# Allegro board RK3588S_Template_LP4XD556P164SD10H2_33X33_2133MHz_H1R0_V10_20220315YWQ.brd (continued)
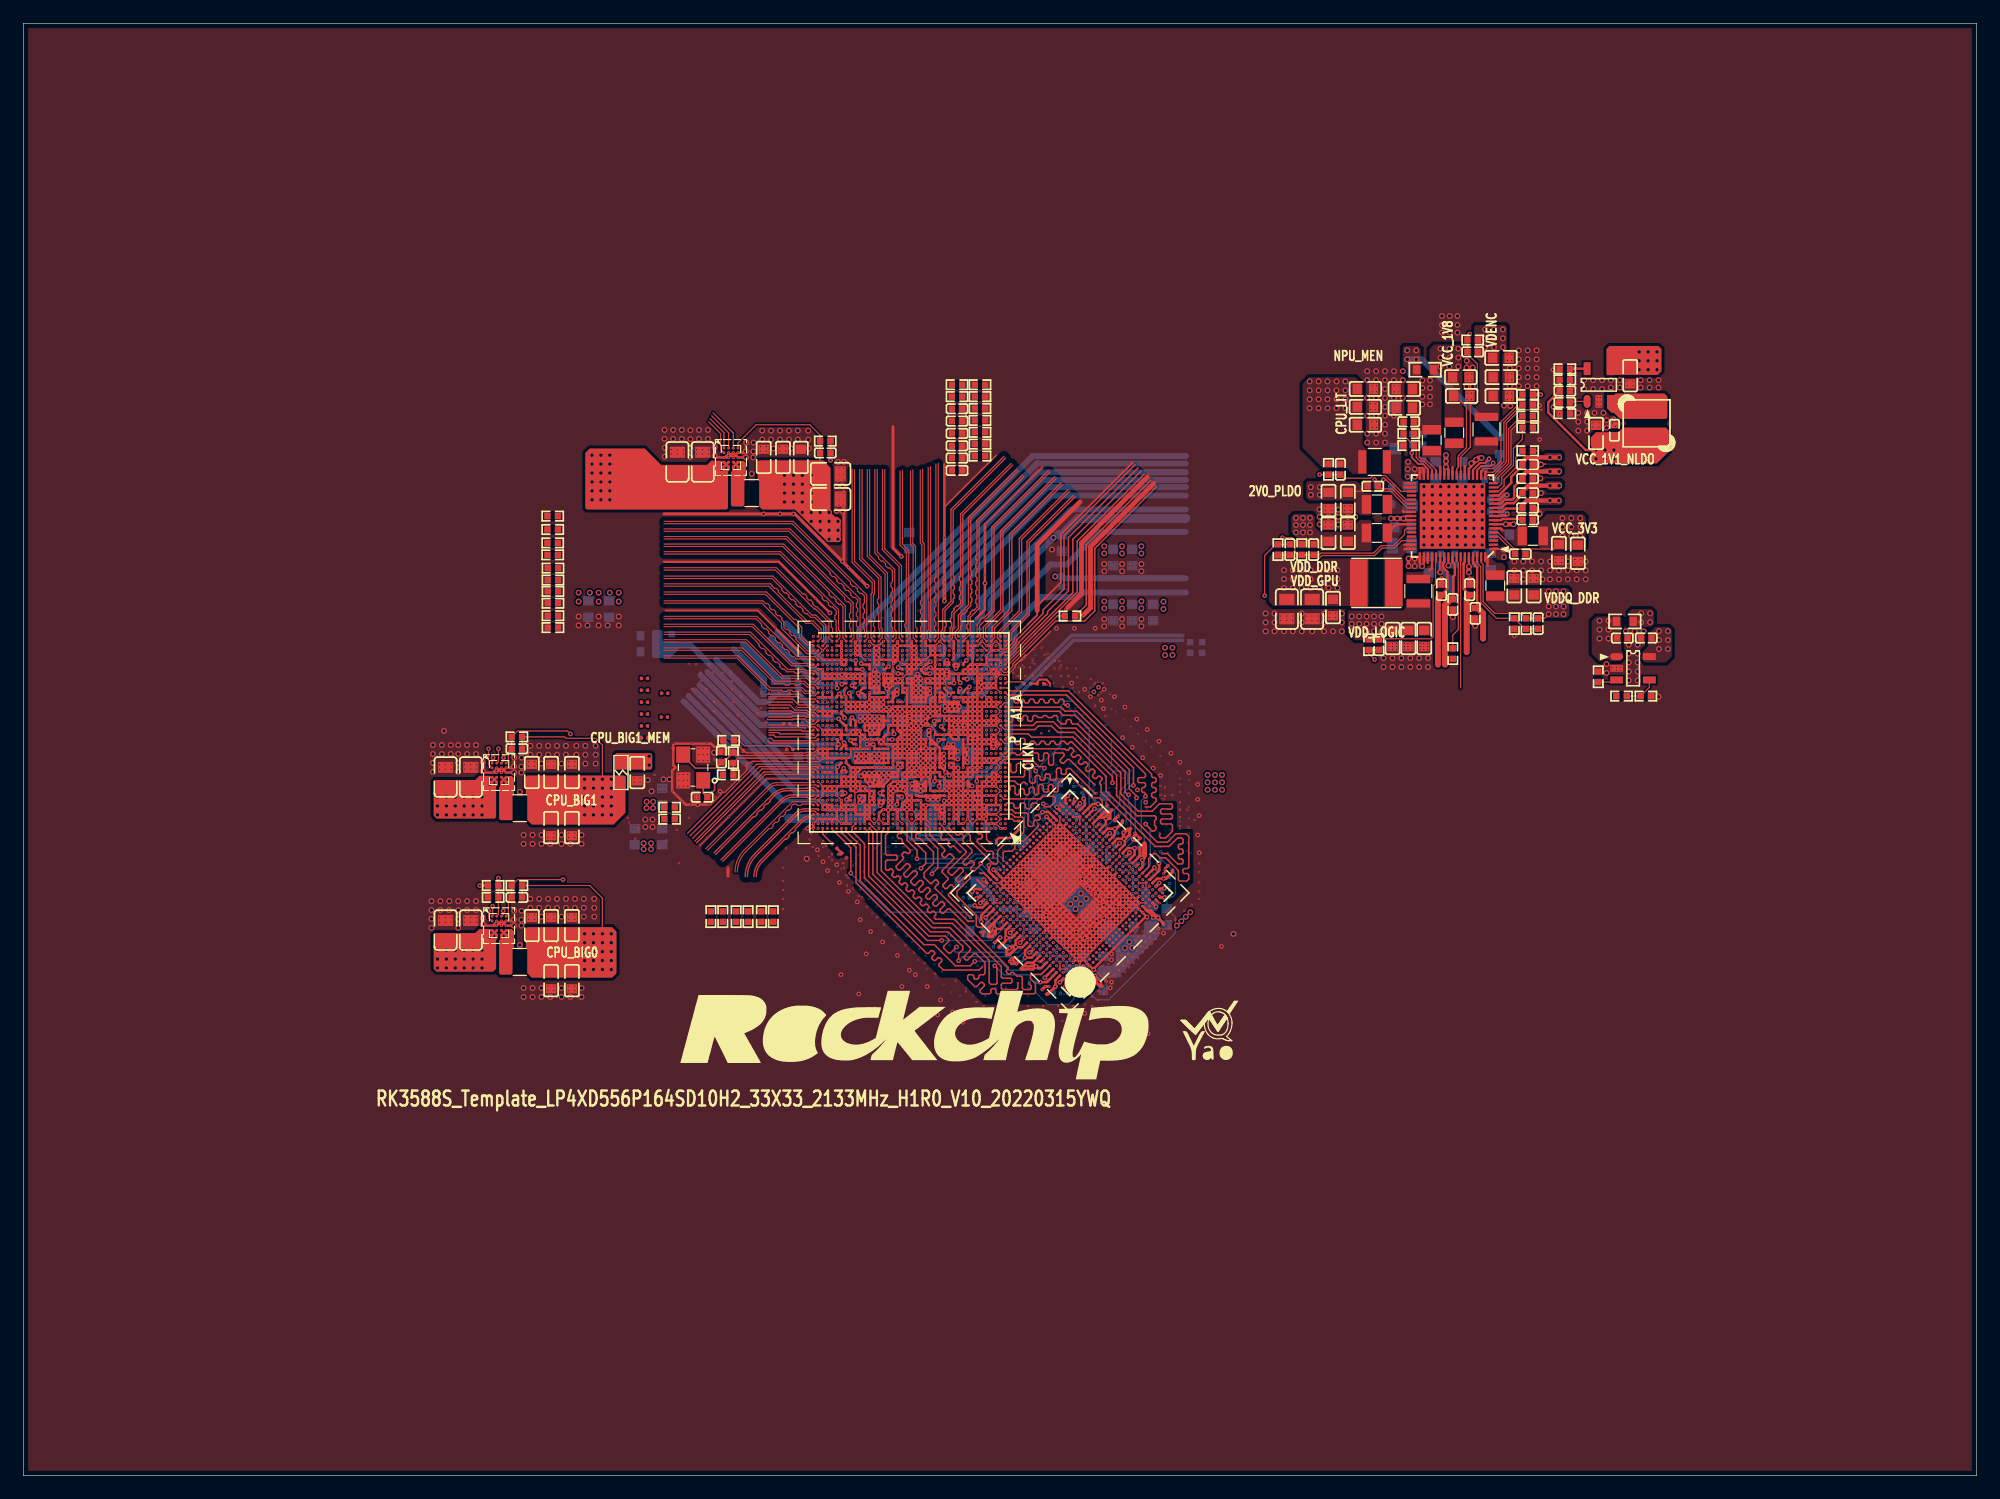
[diagram p0: board, top side]
## Placement (name value [footprint] x y rotation side) (continued)
C1223  10uF  [C0402]  79.83 63.14 90 bottom
C1224  100nF  [C0201#2]  78.82 62.13 180 bottom
C1250  100nF  [C0201#2]  82.17 56.77 180 bottom
C1251  100nF  [C0201]  70.12 52.98 315 top
C1252  100nF  [C0201]  86.89 67.66 0 top
C1253  100nF  [C0201]  84.2 54.66 225 bottom
C1300  1uF  [C0402]  68.73 64.34 270 bottom
C1301  100nF  [C0201#2]  80.74 66.54 270 bottom
C1302  100nF  [C0201#2]  80.13 66.54 270 bottom
C1400  100nF  [C0201#2]  76.71 69.85 180 bottom
C1401  100nF  [C0201#2]  76.71 69.01 180 bottom
C1402  1uF  [C0201#2]  78.13 68.66 0 bottom
C1403  100nF  [C0201#2]  75.36 69.85 180 bottom
C1404  1uF  [C0201#2]  75.36 70.49 180 bottom
C1405  100nF  [C0201#2]  81.08 69.62 270 bottom
C1406  100nF  [C0201#2]  78.3 69.74 180 bottom
C1407  100nF  [C0201#2]  79.81 69.55 0 bottom
C1500  1nF  [C0402]  79.77 90.1 0 top
C1501  1nF  [C0402]  79.77 89.05 0 top
C1502  1nF  [C0402]  79.77 85.89 0 top
C1503  1nF  [C0402]  79.77 86.94 0 top
C1504  1nF  [C0402]  79.77 87.99 0 top
C1505  1nF  [C0402]  79.77 91.16 0 top
C1506  100nF  [C0201#2]  74.27 68.48 270 bottom
C1507  100nF  [C0201#2]  81.31 67.51 270 bottom
C1508  100nF  [C0201#2]  72.07 57.8 315 bottom
C1600  1uF  [C0201#2]  70.26 68.09 90 bottom
C1601  100nF  [C0201#2]  69.65 68.09 90 bottom
C1602  100nF  [C0201#2]  68.99 67.26 270 bottom
C1603  1uF  [C0201#2]  68.35 67.26 270 bottom
C1604  1uF  [C0201#2]  70.61 69.65 180 bottom
C1605  1uF  [C0201#2]  71.73 68.35 180 bottom
C1607  100nF  [C0201#2]  69.65 69.22 270 bottom
C1608  100nF  [C0201#2]  69.01 69.22 270 bottom
C1609  100nF  [C0201#2]  71.18 70.27 180 bottom
C1610  100nF  [C0201#2]  71.18 71.16 180 bottom
C1611  100nF  [C0201#2]  70.89 68.99 180 bottom
C1612  1uF  [C0201#2]  73.3 70.84 90 bottom
C1613  1uF  [C0201#2]  74.22 69.52 0 bottom
C1710  100nF  [C0201#2]  79.14 68.87 135 bottom
C1711  4.7uF  [C0402]  78.61 67.89 180 bottom
C1712  100nF  [C0201#2]  80.14 68.12 180 bottom
C1713  100nF  [C0201#2]  79.27 66.37 0 bottom
C1714  4.7uF  [C0402]  78.61 67.08 180 bottom
C1716  4.7uF  [C0402]  88.72 76.38 270 bottom
C1718  10uF  [C0603]  88.72 79.69 270 bottom
C1725  1uF  [C0201#2]  80.52 68.73 180 bottom
C1800  100nF  [C0201#2]  69.09 58.01 270 bottom
C1801  1uF  [C0201#2]  69.7 58.01 270 bottom
C1802  100nF  [C0201#2]  70.66 58.32 90 bottom
C1803  1uF  [C0201#2]  70.59 57.4 0 bottom
C1902  100nF  [C0201#2]  72.95 56.87 315 bottom
C1903  100nF  [C0201#2]  71.11 56.79 180 bottom
C1904  100nF  [C0201#2]  69.49 65.4 90 bottom
C1905  100nF  [C0201#2]  70.31 64.24 180 bottom
C1906  100nF  [C0201#2]  70.87 66.7 270 bottom
C1907  100nF  [C0201#2]  70.87 68.09 90 bottom
C2200  22uF  [C0603]  117.86 81.03 0 bottom
C2201  22uF  [C0805]  117.78 79.45 0 bottom
C2202  22uF  [C0603]  113.16 80.52 90 top
C2203  22uF  [C0603]  111.51 80.52 90 top
C2205  47uF  [C0805]  110.11 74.04 270 top
C2209  1uF  [C0402]  108.2 79.12 270 top
C2210  47uF  [C0805]  107.95 74.04 270 top
C2213  22uF  [C0805]  118.49 83.69 270 bottom
C2214  22uF  [C0603]  117.98 92.84 180 top
C2215  22uF  [C0603]  117.98 91.24 180 top
C2216  100pF  [C0402]  118.36 90.04 180 top
C2217  22uF  [C0603]  114.66 92.85 0 top
C2218  22uF  [C0603]  114.66 89.79 0 top
C2221  1uF  [C0402]  112.52 85.98 270 top
C2225  10uF  [C0603]  125.35 78.11 90 bottom
C2226  22uF  [C0603]  120.09 77.85 90 bottom
C2227  22uF  [C0603]  127.38 75.95 90 top
C2228  22uF  [C0603]  129.03 75.95 90 top
C2229  100pF  [C0402]  129.41 72.79 270 top
C2230  1uF  [C0402]  115.82 70.99 270 top
C2231  22uF  [C0603]  119.68 71.53 270 top
C2232  22uF  [C0603]  118.33 71.53 270 top
C2235  10uF  [C0603]  126.24 80.39 180 bottom
C2236  22uF  [C0603]  122.94 85.92 270 bottom
C2237  22uF  [C0603]  126.26 92.25 0 top
C2238  22uF  [C0603]  132.8 78.81 270 top
C2239  22uF  [C0603]  131.19 78.87 270 top
C2240  22uF  [C0603]  126.26 93.86 0 top
C2241  22uF  [C0603]  120.65 85.92 270 bottom
C2242  22uF  [C0603]  122.81 93.85 0 top
C2243  22uF  [C0603]  122.89 92.25 0 top
C2244  22uF  [C0603]  113.16 83.31 270 top
C2245  22uF  [C0603]  111.51 83.31 270 top
C2246  1uF  [C0402]  122.12 74.44 270 top
C2247  1uF  [C0402]  122.3 78.32 90 bottom
C2248  1uF  [C0402]  125.91 85.53 270 bottom
C2249  1uF  [C0402]  121.16 75.69 90 top
C2250  1uF  [C0402]  121.11 78.32 90 bottom
C2251  1uF  [C0402]  123.57 75.69 90 top
C2252  1uF  [C0402]  124.08 78.32 90 bottom
C2253  1uF  [C0402]  124.04 73.68 270 top
C2254  1uF  [C0402]  124.84 85.53 270 bottom
C2255  2.2uF  [C0402]  128.52 86.39 0 top
C2257  1uF  [C0402]  125.78 83.39 180 bottom
C2258  2.2uF  [C0402]  128.52 85.19 0 top
C2259  2.2uF  [C0402]  128.52 83.97 0 top
C2260  1nF  [C0402]  119.6 86.36 270 bottom
C2261  100nF  [C0402]  127.89 78.74 0 top
C2262  100nF  [C0402]  115.29 84.53 180 top
C2263  2.2uF  [C0402]  128.52 82.68 0 top
C2264  1uF  [C0402]  125.78 82.37 180 bottom
C2265  2.2uF  [C0402]  128.52 81.66 0 top
C2280  22uF  [C0603]  111.89 74.17 270 top
C2281  22uF  [C0603]  114.66 91.31 0 top
C2282  22uF  [C0603]  116.98 71.53 270 top
C2283  22uF  [C0603]  126.24 95.5 0 top
C2290  1uF  [C0402]  99.69 70.74 270 bottom
C2291  1uF  [C0402]  123.82 96.01 180 top
C2300  22uF  [C0805]  36.07 46.61 90 top
C2301  22uF  [C0805]  38.23 46.61 90 top
C2302  22uF  [C0805]  38.23 59.69 90 top
C2303  22uF  [C0805]  36.07 59.69 90 top
C2304  22uF  [C0603]  46.86 46.99 90 top
C2305  22uF  [C0603]  43.43 46.99 90 top
C2306  1uF  [C0402]  42.16 49.4 180 top
C2307  22uF  [C0603]  45.08 46.99 90 top
C2308  22uF  [C0603]  45.08 42.29 270 top
C2309  22uF  [C0603]  46.86 42.29 270 top
C2310  1uF  [C0402]  42.16 62.1 180 top
C2311  22uF  [C0603]  46.86 60.07 90 top
C2312  22uF  [C0603]  45.08 55.37 270 top
C2313  22uF  [C0603]  43.43 60.07 90 top
C2314  22uF  [C0603]  45.08 60.07 90 top
C2315  22uF  [C0603]  46.86 55.37 270 top
C2316  22uF  [C0603]  52.45 60.07 270 top
C2317  22uF  [C0805]  58.04 86.61 90 top
C2318  22uF  [C0805]  55.88 86.61 90 top
C2319  1uF  [C0402]  68.51 87.38 180 top
C2320  47uF  [C0805]  68.96 83.44 0 top
C2321  47uF  [C0805]  68.96 85.6 0 top
C2322  22uF  [C0603]  64.9 87 90 top
C2323  22uF  [C0603]  63.25 87 90 top
C2324  22uF  [C0603]  66.42 87 90 top
C2325  10uF  [C0603]  137.29 93.98 270 top
C2326  100pF  [C0402]  131.7 92.67 0 top
C2327  22uF  [C0603]  134.36 89.04 90 top
C2328  100nF  [C0402]  135.93 89.33 90 top
C2329  100nF  [C0402]  131.7 91.69 180 top
C2330  1uF  [C0402]  138.66 71.57 180 top
C2331  1uF  [C0402]  136.61 71.56 0 top
C3700  22uF  [C0603]  95.54 48.65 180 bottom
C3701  10uF  [C0603]  89.02 53.06 135 bottom
C3702  1uF  [C0201]  96.34 49.56 0 bottom
C3703  100nF  [C0201]  89.33 56.32 270 bottom
C3704  100nF  [C0201]  93.71 56.14 135 top
C3705  100nF  [C0201]  97.98 51.91 135 top
C3706  100nF  [C0201]  87.24 41.35 135 top
C3707  100nF  [C0201]  92.63 52.25 270 bottom
C3708  10uF  [C0603]  88.39 58.53 90 bottom
C3709  1uF  [C0201]  95.92 50.44 90 bottom
C3710  100nF  [C0201]  93.98 51.91 90 bottom
C3711  100nF  [C0201]  95.41 54.17 90 bottom
C3712  100nF  [C0201]  92.63 53.4 90 bottom
C3713  100nF  [C0201]  93.32 54.7 225 bottom
C3714  100nF  [C0201]  97.93 50.86 270 bottom
C3715  100nF  [C0201]  91.4 54.4 90 bottom
C3716  100nF  [C0201]  90.48 53.7 180 bottom
C3717  100nF  [C0201]  90.42 58.62 90 bottom
C3718  100nF  [C0201]  90.52 56.3 0 bottom
C3719  10uF  [C0603]  92.42 57.36 90 bottom
C3720  100nF  [C0201]  86.96 56.25 315 bottom
C3721  100nF  [C0201]  90.52 55.67 180 bottom
C3722  100nF  [C0201]  90.52 55.05 180 bottom
C3723  100nF  [C0201]  92.79 57.05 135 top
C3724  100nF  [C0201]  94.77 55.07 315 top
C3725  100nF  [C0201]  95.59 54.26 135 top
C3726  100nF  [C0201]  97.2 46.93 225 top
C3727  100nF  [C0201]  95.56 52.08 225 bottom
C3728  100nF  [C0201]  96.75 51.44 225 bottom
C3729  10uF  [C0603]  95.54 46.89 180 bottom
C3730  1uF  [C0201]  93.97 55.37 135 bottom
C3731  1uF  [C0201]  89.88 57.16 315 bottom
C3732  100nF  [C0201]  96.97 50.13 135 bottom
C3733  100nF  [C0201]  94.82 51.25 90 bottom
C3734  10uF  [C0603]  97.69 47.74 270 bottom
C3735  100nF  [C0201]  91.5 57.98 90 bottom
C3736  100nF  [C0201]  89.74 58.62 90 bottom
C3737  100nF  [C0201]  94.58 52.65 90 bottom
C3738  100nF  [C0201]  93.24 53.4 270 bottom
C3739  100nF  [C0201]  97.15 53.03 90 bottom
C3740  100nF  [C0201]  97.93 49.73 90 bottom
C3741  100nF  [C0201]  92.1 55.32 90 bottom
C3742  1nF  [C0201]  93.91 56.52 180 bottom
C3743  10uF  [C0603]  86.44 50.02 135 bottom
C3744  10uF  [C0603]  90.64 43.67 90 bottom
C3745  1uF  [C0201]  87.28 45.25 180 bottom
C3746  100nF  [C0201]  84.77 47.79 180 bottom
C3747  100nF  [C0201]  84.48 45.9 45 bottom
C3748  100nF  [C0201]  88.34 41.2 0 bottom
C3749  100nF  [C0201]  88.83 43.29 180 bottom
C3750  100nF  [C0201]  84.89 43.91 180 bottom
C3751  100nF  [C0201]  89.7 42.86 270 bottom
C3752  100nF  [C0201]  83.18 45.34 135 top
C3753  100nF  [C0201]  88.62 48.51 225 bottom
C3754  22uF  [C0603]  80.67 50.73 180 bottom
C3755  1uF  [C0201]  87.03 46.68 0 bottom
C3756  100nF  [C0201]  80.57 48.68 180 bottom
C3757  100nF  [C0201]  82.91 48.71 270 bottom
C3758  100nF  [C0201]  82.84 49.84 0 bottom
C3759  100nF  [C0201]  85.8 46.68 180 bottom
C3760  100nF  [C0201]  90.46 50.38 45 bottom
C3761  100nF  [C0201]  85.57 48.71 90 bottom
C3762  10uF  [C0603]  92.27 43.67 90 bottom
C3763  10uF  [C0603]  81.58 46.52 180 bottom
C3764  1uF  [C0201]  83.15 45.19 180 bottom
C3765  1uF  [C0201]  82.05 49.34 315 bottom
C3766  100nF  [C0201]  83.09 52.12 315 bottom
C3767  100nF  [C0201]  89.07 42.28 135 bottom
C3768  100nF  [C0201]  84.17 48.71 90 bottom
C3769  100nF  [C0201]  87.01 43.53 45 bottom
C3770  100nF  [C0201]  87.73 42.5 45 bottom
C3771  100nF  [C0201]  84.2 44.32 315 top
C3772  100nF  [C0201]  92.33 42.04 45 top
C3773  100nF  [C0201]  88.02 44.37 180 bottom
C3774  100nF  [C0201]  85.05 43.52 135 top
C3775  100nF  [C0201]  82.26 46.27 135 top
C3776  100nF  [C0201]  83.55 48.71 90 bottom
C3777  10uF  [C0603]  91.55 41.52 0 bottom
C3778  100nF  [C0201]  86.22 42.14 180 bottom
C3779  100nF  [C0201]  89.46 41.2 180 bottom
C3780  100nF  [C0201]  86.54 44.63 180 bottom
C3781  100nF  [C0201]  85.8 46.01 0 bottom
C3782  100nF  [C0201]  81.21 47.71 180 bottom
C3783  100nF  [C0201]  84 47.09 180 bottom
C3784  100nF  [C0201]  80.57 49.39 180 bottom
C4003  100nF  [C0402]  55.41 71.42 90 bottom
C9922  1uF  [C0402]  110.24 79.12 270 top
D2600  BZT52C3V0  [SOD_123]  117.22 89.53 270 bottom
ED2200  AZ5825-01F  [ESD0402]  116.9 83.68 270 bottom
FB2300  120R-100MHz  [L0603]  51.05 60.07 90 top
L2200  0.47uH  [IND_201610]  115.65 80.54 0 top
L2201  0.22uH  [IND_404020]  115.6 76.27 180 top
L2202  0.47uH  [IND_201610]  120.33 88.47 270 top
L2203  0.24uH  [IND_252012]  115.44 86.61 180 top
L2204  0.47uH  [IND_201610]  125.76 76.05 90 top
L2205  0.24uH  [IND_252012]  119.18 75.56 270 top
L2206  0.47uH  [IND_201610]  128.96 80.29 180 top
L2207  0.24uH  [IND_252012]  125 89.41 90 top
L2208  0.47uH  [IND_201610]  122.25 89.1 270 top
L2209  0.47uH  [IND_201610]  115.65 82.98 180 top
L2300  0.24uH  [IND_252012]  42.42 43.89 0 top
L2301  0.24uH  [IND_252012]  42.42 57.02 0 top
L2302  0.24uH  [IND_252012]  62.23 83.95 0 top
L2303  2.2uH  [IND_303015]  138.68 89.92 0 top
NOREF  -  []  27.56 -59.69 0 top
NOREF#2  -  []  100.08 36.83 0 top
NOREF#3  -  []  56.13 33.15 0 top
R1100  22R  [R0402]  60.21 59.87 0 top
R1102  510K  [R0402]  60.66 61.33 90 top
R1104  0R  [R0402]  60.26 62.81 180 top
R1111  2.2K  [R0402]  45.24 72.46 0 top
R1112  2.2K  [R0402]  45.24 73.47 0 top
R1113  2.2K  [R0402]  45.24 74.53 0 top
R1114  2.2K  [R0402]  45.24 75.55 0 top
R1115  22R  [R0402]  128.52 90.52 180 top
R1116  22R  [R0402]  128.52 87.56 180 top
R1200  240R  [R0201]  85.77 67.66 0 top
R1201  240R  [R0201]  85.05 55.65 270 top
R1202  240R  [R0201]  82.86 54.06 0 top
R1203  240R  [R0201]  69.3 53.8 315 top
R1300  0R  [R0201#2]  53.07 64.05 180 top
R1301  0R  [R0201#2]  53.07 63.04 180 top
R1302  0R  [R0201#2]  53.07 65.07 180 top
R1303  0R  [R0201#2]  53.07 66.08 180 top
R1304  0R  [R0201#2]  53.07 67.1 180 top
R1305  0R  [R0201#2]  54.77 64.81 180 top
R1306  0R  [R0201#2]  53.07 68.12 180 top
R1308  0R  [R0201#2]  53.07 64.05 180 bottom
R1309  0R  [R0201#2]  65.23 64.23 180 top
R1310  0R  [R0402]  53.07 63.04 180 bottom
R1312  0R  [R0201#2]  53.07 65.07 180 bottom
R1313  0R  [R0201#2]  53.07 66.08 180 bottom
R1315  0R  [R0201#2]  53.07 67.1 180 bottom
R1316  0R  [R0201#2]  53.07 68.12 180 bottom
R1320  22R  [R0402]  89.42 73.45 0 top
R1330  0R  [R0201#2]  54.79 66.85 180 top
R1400  8.2K  [R0201#2]  79.43 72.11 90 bottom
R1401  0R  [R0402]  78.61 71.12 90 bottom
R1402  0R  [R0402]  77.6 71.12 90 bottom
R1404  200R  [R0201#2]  81.74 69.6 270 bottom
R1405  200R  [R0201#2]  81.74 72.06 90 bottom
R1406  200R  [R0201#2]  81.74 70.79 270 bottom
R1500  10K  [R0402]  81.73 89.14 0 top
R1501  100K  [R0402]  81.73 90.16 180 top
R1502  DNP  [R0402]  81.73 91.18 0 top
R1505  DNP  [R0402]  81.73 93.21 180 top
R1506  10K  [R0402]  81.73 87.11 180 top
R1507  100K  [R0402]  81.73 92.19 0 top
R1508  DNP  [R0402]  81.73 88.13 0 top
R1509  2.2K  [R0402]  55.21 57.1 0 top
R1510  2.2K  [R0402]  55.21 56.08 0 top
R1520  0R  [R0402]  79.77 92.19 0 top
R1521  0R  [R0402]  79.77 93.21 0 top
R1708  8.2K  [R0201#2]  83.39 71.3 90 bottom
R1904  2.2K  [R0402]  45.24 77.54 0 top
R1905  2.2K  [R0402]  45.24 76.52 0 top
R1908  0R  [R0402]  65.74 66.79 180 bottom
R1909  0R  [R0402]  65.74 67.88 180 bottom
R1910  2.2K  [R0402]  64.07 47.76 90 top
R1911  2.2K  [R0402]  58.73 47.76 90 top
R1914  2.2K  [R0402]  45.22 81.98 0 top
R1915  2.2K  [R0402]  45.22 80.84 0 top
R1916  2.2K  [R0402]  59.75 47.76 90 top
R1917  2.2K  [R0402]  63.05 47.76 90 top
R1918  0R  [R0402]  68.58 71.88 90 bottom
R1921  2.2K  [R0402]  60.89 47.76 90 top
R1922  2.2K  [R0402]  61.91 47.76 90 top
R1927  0R  [R0402]  63.69 67.88 0 bottom
R1928  0R  [R0402]  63.69 66.79 0 bottom
R1930  0R  [R0402]  45.22 79.69 180 top
R1931  0R  [R0402]  45.22 78.67 180 top
R2200  100R  [R0402]  109.22 79.12 270 top
R2208  100R  [R0402]  107.19 79.12 90 top
R2209  100R  [R0402]  123.82 97.03 180 top
R2210  0R  [R0603]  126.11 88.01 270 bottom
R2211  0R  [R0603]  119.76 94.49 0 top
R2218  120K  [R0402]  118.36 89.03 180 top
R2219  100R  [R0402]  111.51 85.98 90 top
R2227  100K  [R0402]  118.36 88.01 180 top
R2236  20K  [R0402]  128.4 72.79 270 top
R2238  100R  [R0402]  114.94 70.99 90 top
R2241  100K  [R0402]  127.38 72.79 270 top
R2242  0R  [R0402]  122.12 70.23 90 top
R2258  100K  [R0402]  128.52 91.51 0 top
R2261  10K  [R0402]  128.52 92.36 180 top
R2263  10K  [R0402]  115.19 84.58 0 bottom
R2264  39K  [R0402]  119.6 88.52 270 bottom
R2265  10K  [R0402]  118.67 88.52 270 bottom
R2274  0R  [R0402]  100.71 70.74 90 bottom
R2290  0R  [R0402]  128.52 89.53 180 top
R2300  100R  [R0402]  42.16 50.42 180 top
R2301  100R  [R0402]  42.16 63.12 180 top
R2302  100K  [R0402]  40.13 50.42 0 top
R2303  120K  [R0402]  40.13 49.4 180 top
R2304  100R  [R0402]  68.51 88.39 180 top
R2305  10K  [R0402]  131.7 90.74 0 top
R2306  100K  [R0402]  131.7 93.63 0 top
R2307  120K  [R0402]  131.7 94.57 180 top
R2308  0R  [R0603]  136.83 72.98 180 top
R2309  10K  [R0402]  136.54 66.6 0 top
R2310  100K  [R0402]  138.62 66.6 0 top
R2311  4.7K  [R0402]  134.55 68.25 90 top
R3700  0.01R  [R0603]  81.56 55.39 0 bottom
R3701  0R  [R0201]  89.53 54.48 270 bottom
R3702  0R  [R0201]  84.89 49.65 180 bottom
R3703  0R  [R0201]  88.65 55.12 0 bottom
R3704  0R  [R0201]  84.07 50.27 180 bottom
R3705  0.01R  [R0603]  76.61 55.39 0 bottom
R3706  10K  [R0201]  90.52 54.33 180 bottom
R3707  10K  [R0201]  84.86 48.68 270 bottom
R3708  240R  [R0201]  91.4 52.99 270 bottom
R3709  0.01R  [R0805]  86.09 53.46 135 bottom
R3710  240R  [R0201]  90.32 51.74 45 bottom
R3711  0.01R  [R0805]  91.75 47.3 315 bottom
R3712  0R  [R0201]  94.11 50.55 270 bottom
R3713  0R  [R0201]  88.65 45.09 180 bottom
R3714  0R  [R0201]  93.31 50.08 270 bottom
R3715  0R  [R0201]  89.12 45.88 180 bottom
R3716  10K  [R0201]  94.82 50.02 270 bottom
R3717  10K  [R0201]  89.17 44.37 180 bottom
R3718  240R  [R0201]  86.2 47.79 0 bottom
R3719  240R  [R0201]  87.55 48.79 225 bottom
R4000  0R  [R0603]  53.44 70.38 0 bottom
R4001  0R  [R0603]  53.44 71.75 0 bottom
U1000  RK3588S  [BGA1253_17R00X17R00X1R10]  75.69 63.5 180 top
U2200  RK806-1  [QFN68_7R00X7R00X0R80_T]  122.1 81.99 180 top
U2300  RK860-2  [WLCSP20_1R65X2R05X0R63]  40.64 46.99 0 top
U2301  RK860-3  [WLCSP20_1R65X2R05X0R63]  40.64 60.07 0 top
U2302  RK860-2  [WLCSP20_1R65X2R05X0R63]  60.45 87 0 top
U2303  ETA3409/SY8089AAC  [SOT_23_5]  133.6 91.78 90 top
U2304  SGM2576  [SOT_23_5]  136.12 69.98 0 top
U3700  DRAM-LPDDR4_2x32bit_366P  [FBGA556_12R40X12R40X0R78]  89.41 49.78 315 top
Y1100  24MHz  [CRY4_3R20X2R50X0R80]  57.23 60.5 90 top

## Library data of the parts
C1000-C1002 C1005 C1009 C1011 C1014 C1015 C1021-C1024 C1026 C1028 C1031 C1032 C1034 C1037 C1039 C1040 C1043 C1050 C1100 C1101 C1103-C1107 C1202-C1204 C1206-C1208 C1211-C1213 C1216 C1218 C1220 C1222 C1224 C1250-C1253 C1300-C1302 C1400 C1401 C1403 C1405-C1407 C1502 C1601 C1602 C1607 C1608 C1610 C1710 C1712 C1713 C1800 C1802 C1902-C1907 C2245 C2248 C2249 = CAP NP: signal model: DEFAULT_CAPACITOR_100000pF_2_1
C1003 C1007 C1029 C1033 C1041 C2214 C2215 = CAP NP: signal model: DEFAULT_CAPACITOR_10000pF_2_1
C1004 C1010 C1013 C1035 C1036 C1042 C1209 C1210 C1214 C1215 C1221 C1402 C1404 C1600 C1603 C1605 C1609 C1711 C1714 C1725 C1801 C1803 C2235-C2244 C2246 C2247 C2250-C2253 = CAP NP: signal model: DEFAULT_CAPACITOR_1e+06pF_2_1
C1006 C1008 C1012 C1027 C1038 C2200 C2201 C2209 C2210 C2213 C2216-C2218 C2225 C2228 C2229 C2231 = CAP NP: signal model: DEFAULT_CAPACITOR_2.2e+07pF_2_1
C1017 C1019 C1020 C1025 C1030 C1200 C1205 C1217 C1219 C1223 C2202 C2203 C2221 C2226 C2227 C2232 = CAP NP: signal model: DEFAULT_CAPACITOR_1e+07pF_2_1
C1051-C1061 C1063 C1070-C1085 C1087 C1090 C1110-C1114 C1125 C1500 C1501 C1503-C1508 C1611-C1613 C1716 C1718 C2205 C2230 C2254 C2255 C2257-C2265 C2280-C2283 C2290 C2291 C2300-C2331 C3700-C3784 C4003 C9922 = CAP NP
C1604 = CAP NP: signal model: DEFAULT_CAPACITOR_2200pF_2_1
D2600 = DIODE ZENER1_1
ED2200 = DIODE BI_DIR TRIG
FB2300 = BEAD
L2200 L2205-L2209 = INDUCTORS OF FERRITE: signal model: DEFAULT_INDUCTOR_470.000000nH_2_1
L2201 L2202 = INDUCTORS OF FERRITE: signal model: DEFAULT_INDUCTOR_220.000000nH_2_1
L2203 L2204 = INDUCTORS OF FERRITE: signal model: DEFAULT_INDUCTOR_240.000000nH_2_1
L2300-L2303 = INDUCTORS OF FERRITE
R1100 R1102 R1112-R1116 R1320 R1401 R1402 R1404 R1500 R1502 R1505-R1510 R1520 R1521 R1708 R1908-R1911 R1914-R1918 R1921 R1922 R1927 R1928 R1930 R1931 R2209 R2227 R2236 R2238 R2241 R2242 R2258 R2261 R2263-R2265 R2274 R2290 R2300-R2311 R3700 R3705-R3711 R3716-R3719 R4000 R4001 = RESISTOR
R1104 R1111 R1300-R1306 R1308-R1310 R1312 R1313 R1315 R1316 R1330 R1405 R1406 R1501 R1904 R1905 = RESISTOR: signal model: DEFAULT_RESISTOR_0.1OHM_2_1
R1200-R1203 = RESISTOR: signal model: DEFAULT_RESISTOR_240.000000OHM_2_1
R1400 = RESISTOR: signal model: DEFAULT_RESISTOR_8200OHM_2_1
R2200 R2208 R2210 R2211 R2218 R2219 = RESISTOR: signal model: DEFAULT_RESISTOR_10000OHM_2_1
R3701-R3704 R3712-R3715 = RESISTOR: signal model: RESISTOR_R0201_0R_0R
U1000 = SOC_RK3588S
U2200 = PMIC_RK806
U2300-U2302 = DCDC_RK860
U2303 = DCDC_SY8088
U2304 = SWITCH_SGM2576
U3700 = DRAM-LPDDR4_2x32bit_366P
Y1100 = CRYSTAL_4P
